# Altium PCB POETIC_Processor_V2a.PcbDoc (part 3 of 3) (continued)
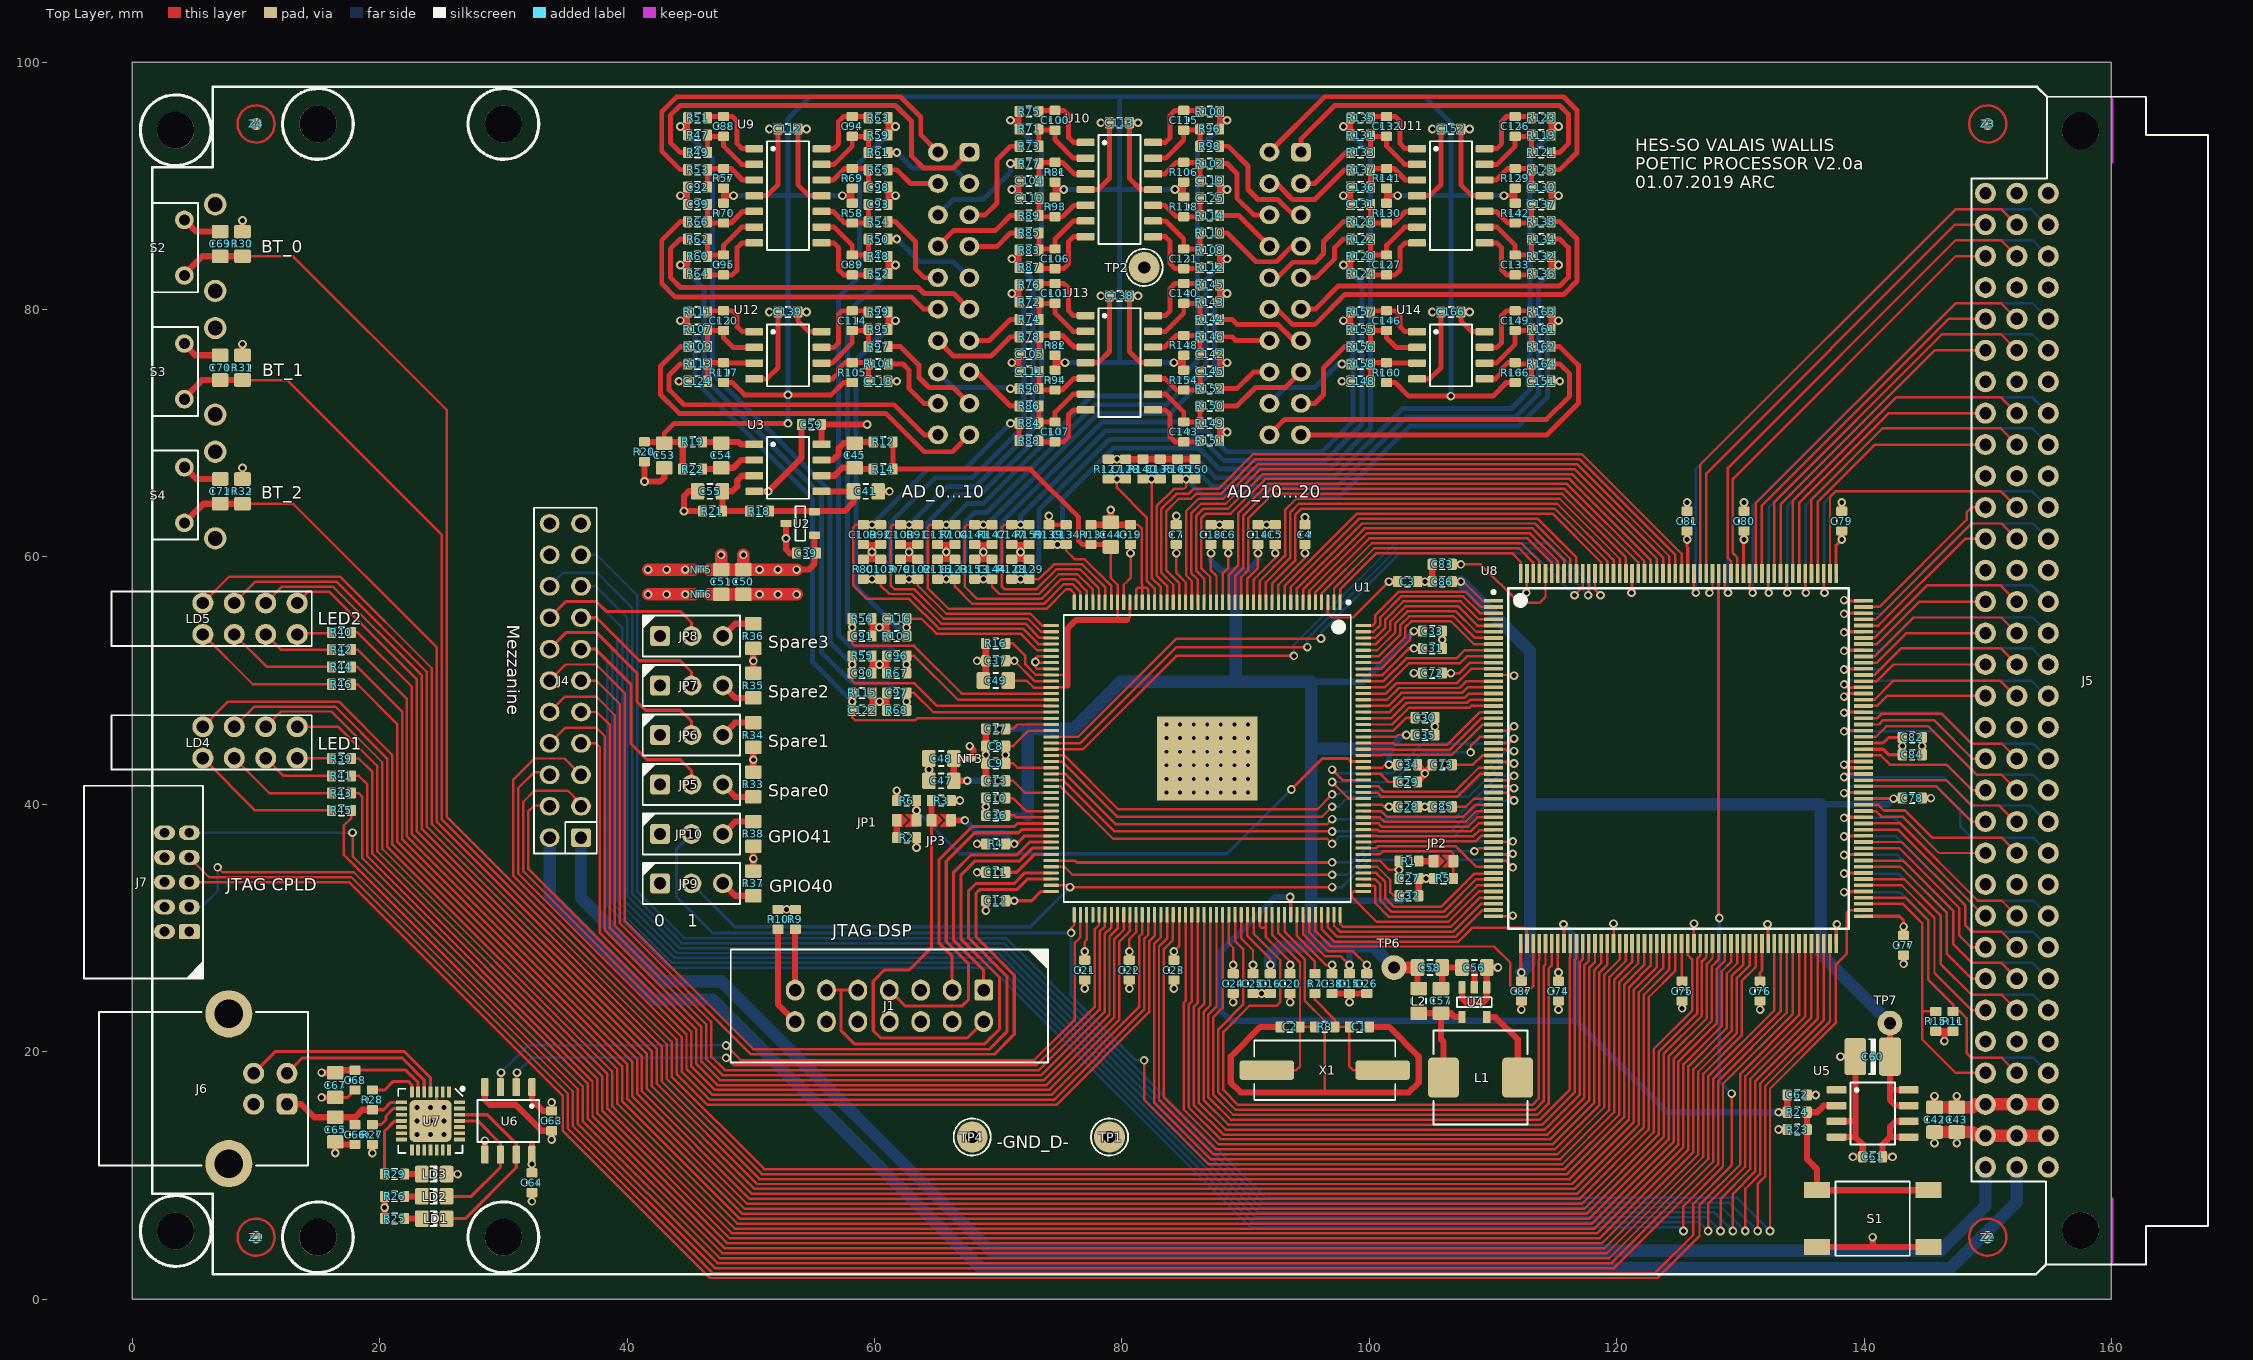
[diagram p0: Top Layer view]
## Nets (pads, with @x,y where several pads share a name; then routed paths per layer and width w, separated by ;. In a path a pad name is that pad's centre, name@x,y a point inside that pad or via, vN(x,y) a via of type N, cw(c..) or ccw(c..) an arc to the next point about the centre after c; other vN are vias at no path point) (continued)
NetC89_1: C89.1 R52.1 U9.8 | length 5.9
  Top Layer w0.4: U9.8@55.725,85.39 56.71,85.39 57.1,85 57.1,83.2 57.5,82.8 C89.1@58.2,82.8 59.4,82.8 R52.1@59.5,82.9
NetC89_2: C89.2 R48.1 R50.2 U9.9 | length 6.6
  Top Layer w0.4: U9.9@55.725,86.66 56.74,86.66 58.2,85.2 C89.2@58.2,84.4 59.4,84.4 R48.1@59.5,84.3 R50.2@59.5,85.7
NetC92_2: C92.2 R53.2 R57.1 U9.3 | length 5.6
  Top Layer w0.4: C92.2@46.5,89.9 R53.2@46.5,91.3 46.6,91.4 R57.1@47.8,91.4 48.4,91.4 49.33,90.47 U9.3@50.275,90.47
NetC93_2: C93.2 R54.2 R58.1 U9.10 | length 5.6
  Top Layer w0.4: U9.10@55.725,87.93 56.67,87.93 57.6,87 R58.1@58.2,87 59.4,87 R54.2@59.5,87.1 C93.2@59.5,88.5
NetC94_1: C94.1 R63.1 U9.14 | length 5.9
  Top Layer w0.4: U9.14@55.725,93.01 56.71,93.01 57.1,93.4 57.1,95.2 57.5,95.6 C94.1@58.2,95.6 59.4,95.6 R63.1@59.5,95.5
NetC94_2: C94.2 R59.1 R61.2 U9.13 | length 6.6
  Top Layer w0.4: U9.13@55.725,91.74 56.74,91.74 58.2,93.2 C94.2@58.2,94 59.4,94 R59.1@59.5,94.1 R61.2@59.5,92.7
NetC95_1: C95.1 R64.1 U9.7 | length 5.9
  Top Layer w0.4: R64.1@46.5,82.9 46.6,82.8 C95.1@47.8,82.8 48.5,82.8 48.9,83.2 48.9,85 49.29,85.39 U9.7@50.275,85.39
NetC95_2: C95.2 R60.1 R62.2 U9.6 | length 6.6
  Top Layer w0.4: R62.2@46.5,85.7 R60.1@46.5,84.3 46.6,84.4 C95.2@47.8,84.4 47.8,85.2 49.26,86.66 U9.6@50.275,86.66
NetC98_2: C98.2 R65.2 R69.1 U9.12 | length 5.6
  Top Layer w0.4: U9.12@55.725,90.47 56.67,90.47 57.6,91.4 R69.1@58.2,91.4 59.4,91.4 R65.2@59.5,91.3 C98.2@59.5,89.9
NetC99_2: C99.2 R66.2 R70.1 U9.5 | length 5.6
  Top Layer w0.4: C99.2@46.5,88.5 R66.2@46.5,87.1 46.6,87 R70.1@47.8,87 48.4,87 49.33,87.93 U9.5@50.275,87.93
NetC100_1: C100.1 R75.1 U10.1 | length 5.9
  Top Layer w0.4: R75.1@73.3,96 73.4,96.1 C100.1@74.6,96.1 75.3,96.1 75.7,95.7 75.7,93.9 76.09,93.51 U10.1@77.075,93.51
NetC100_2: C100.2 R71.1 R73.2 U10.2 | length 6.6
  Top Layer w0.4: R73.2@73.3,93.2 R71.1@73.3,94.6 73.4,94.5 C100.2@74.6,94.5 74.6,93.7 76.06,92.24 U10.2@77.073,92.24
NetC101_1: C101.1 R76.1 U13.1 | length 5.9
  Top Layer w0.4: R76.1@73.3,82 73.4,82.1 C101.1@74.6,82.1 75.3,82.1 75.7,81.7 75.7,79.9 76.09,79.51 U13.1@77.075,79.51
NetC101_2: C101.2 R72.1 R74.2 U13.2 | length 6.6
  Top Layer w0.4: R74.2@73.3,79.2 R72.1@73.3,80.6 73.4,80.5 C101.2@74.6,80.5 74.6,79.7 76.06,78.24 U13.2@77.075,78.24
NetC104_2: C104.2 R77.2 R81.1 U10.3 | length 5.6
  Top Layer w0.4: C104.2@73.3,90.4 R77.2@73.3,91.8 73.4,91.9 R81.1@74.6,91.9 75.2,91.9 76.13,90.97 U10.3@77.073,90.97
NetC105_2: C105.2 R78.2 R82.1 U13.3 | length 5.6
  Top Layer w0.4: C105.2@73.3,76.4 R78.2@73.3,77.8 73.4,77.9 R82.1@74.6,77.9 75.2,77.9 76.13,76.97 U13.3@77.075,76.97
NetC106_1: C106.1 R87.1 U10.7 | length 5.9
  Top Layer w0.4: R87.1@73.3,83.4 73.4,83.3 C106.1@74.6,83.3 75.3,83.3 75.7,83.7 75.7,85.5 76.09,85.89 U10.7@77.075,85.89
NetC106_2: C106.2 R83.1 R85.2 U10.6 | length 6.6
  Top Layer w0.4: R85.2@73.3,86.2 R83.1@73.3,84.8 73.4,84.9 C106.2@74.6,84.9 74.6,85.7 76.06,87.16 U10.6@77.073,87.16
NetC107_1: C107.1 R88.1 U13.7 | length 5.9
  Top Layer w0.4: R88.1@73.3,69.4 73.4,69.3 75.3,69.3 75.7,69.7 75.7,71.5 76.09,71.89 U13.7@77.075,71.89
NetC107_2: C107.2 R84.1 R86.2 U13.6 | length 7.2
  Top Layer w0.4: R86.2@73.3,72.2 R84.1@73.3,70.8 73.4,70.9 C107.2@74.6,70.9 74.6,71.7 76.06,73.16 U13.6@77.075,73.16 U13.6@77.675,73.16
NetC110_2: C110.2 R89.2 R93.1 U10.5 | length 5.6
  Top Layer w0.4: C110.2@73.3,89 R89.2@73.3,87.6 73.4,87.5 R93.1@74.6,87.5 75.2,87.5 76.13,88.43 U10.5@77.073,88.43
NetC111_2: C111.2 R90.2 R94.1 U13.5 | length 6.2
  Top Layer w0.4: C111.2@73.3,75 R90.2@73.3,73.6 73.4,73.5 R94.1@74.6,73.5 75.2,73.5 76.13,74.43 U13.5@77.075,74.43 U13.5@77.675,74.43
NetC114_1: C114.1 R99.1 U12.7 | length 6.4
  Top Layer w0.4: U12.7@55.725,76.935 56.735,76.935 57.1,77.3 57.1,79.6 57.4,79.9 C114.1@58.2,79.9 59.4,79.9 R99.1@59.5,79.8
NetC114_2: C114.2 R95.1 R97.2 U12.6 | length 6.9
  Top Layer w0.4: U12.6@55.725,75.665 56.565,75.665 58.2,77.3 C114.2@58.2,78.3 59.4,78.3 R95.1@59.5,78.4 R97.2@59.5,77
NetC115_1: C115.1 R100.1 U10.14 | length 5.9
  Top Layer w0.4: U10.14@82.525,93.51 83.51,93.51 83.9,93.9 83.9,95.7 84.3,96.1 C115.1@85,96.1 86.2,96.1 R100.1@86.3,96
NetC115_2: C115.2 R96.1 R98.2 U10.13 | length 6.6
  Top Layer w0.4: U10.13@82.525,92.24 83.54,92.24 85,93.7 C115.2@85,94.5 86.2,94.5 R96.1@86.3,94.6 R98.2@86.3,93.2
NetC118_2: C118.2 R101.2 R105.1 U12.5 | length 5.9
  Top Layer w0.4: U12.5@55.725,74.395 56.595,74.395 57.1,74.9 57.1,75.2 57.6,75.7 R105.1@58.2,75.7 59.4,75.7 R101.2@59.5,75.6 C118.2@59.5,74.2
NetC119_2: C119.2 R102.2 R106.1 U10.12 | length 5.6
  Top Layer w0.4: U10.12@82.525,90.97 83.47,90.97 84.4,91.9 R106.1@85,91.9 86.2,91.9 R102.2@86.3,91.8 C119.2@86.3,90.4
NetC120_1: C120.1 R111.1 U12.1 | length 5
  Top Layer w0.4: R111.1@46.5,79.8 46.6,79.9 C120.1@47.8,79.9 48.5,79.9 48.9,79.5 48.9,78.6 49.295,78.205 U12.1@50.275,78.205
NetC120_2: C120.2 R107.1 R109.2 U12.2 | length 6.1
  Top Layer w0.4: R109.2@46.5,77 R107.1@46.5,78.4 46.6,78.3 C120.2@47.8,78.3 47.8,77.7 48.565,76.935 U12.2@50.275,76.935
NetC121_1: C121.1 R112.1 U10.8 | length 5.9
  Top Layer w0.4: U10.8@82.525,85.89 83.51,85.89 83.9,85.5 83.9,83.7 84.3,83.3 C121.1@85,83.3 86.2,83.3 R112.1@86.3,83.4
NetC121_2: C121.2 R108.1 R110.2 U10.9 | length 6.6
  Top Layer w0.4: U10.9@82.525,87.16 83.54,87.16 85,85.7 C121.2@85,84.9 86.2,84.9 R108.1@86.3,84.8 R110.2@86.3,86.2
NetC124_2: C124.2 R113.2 R117.1 U12.3 | length 5.8
  Top Layer w0.4: C124.2@46.5,74.2 R113.2@46.5,75.6 46.6,75.7 R117.1@47.8,75.7 R117.1@47.835,75.665 ; 47.235,75.665 R117.1@47.835,75.665 ; U12.3@50.275,75.665 R117.1@47.835,75.665
NetC125_2: C125.2 R114.2 R118.1 U10.10 | length 5.6
  Top Layer w0.4: U10.10@82.525,88.43 83.47,88.43 84.4,87.5 R118.1@85,87.5 86.2,87.5 R114.2@86.3,87.6 C125.2@86.3,89
NetC126_1: C126.1 R123.1 U11.14 | length 5.9
  Top Layer w0.4: U11.14@109.325,93.01 110.31,93.01 110.7,93.4 110.7,95.2 111.1,95.6 C126.1@111.8,95.6 113,95.6 R123.1@113.1,95.5
NetC126_2: C126.2 R119.1 R121.2 U11.13 | length 7.2
  Top Layer w0.4: U11.13@109.325,91.74 110.34,91.74 111.8,93.2 C126.2@111.8,94 ; 111.8,93.4 C126.2@111.8,94 ; R121.2@113.1,92.7 R119.1@113.1,94.1 113,94 C126.2@111.8,94
NetC127_1: C127.1 R124.1 U11.7 | length 5.8
  Top Layer w0.4: R124.1@100.1,82.9 100.2,82.8 C127.1@101.4,82.8 ; C127.1@101.5,82.8 102.1,82.8 102.5,83.2 102.5,85 102.89,85.39 U11.7@103.875,85.39
NetC127_2: C127.2 R120.1 R122.2 U11.6 | length 6.6
  Top Layer w0.4: R122.2@100.1,85.7 R120.1@100.1,84.3 100.2,84.4 C127.2@101.4,84.4 101.4,85.2 102.86,86.66 U11.6@103.875,86.66
NetC130_2: C130.2 R125.2 R129.1 U11.12 | length 5.6
  Top Layer w0.4: U11.12@109.325,90.47 110.27,90.47 111.2,91.4 R129.1@111.8,91.4 113,91.4 R125.2@113.1,91.3 C130.2@113.1,89.9
NetC131_2: C131.2 R126.2 R130.1 U11.5 | length 5.6
  Top Layer w0.4: C131.2@100.1,88.5 R126.2@100.1,87.1 100.2,87 R130.1@101.4,87 102,87 102.93,87.93 U11.5@103.875,87.93
NetC132_1: C132.1 R135.1 U11.1 | length 5.9
  Top Layer w0.4: R135.1@100.1,95.5 100.2,95.6 C132.1@101.4,95.6 102.1,95.6 102.5,95.2 102.5,93.4 102.89,93.01 U11.1@103.875,93.01
NetC132_2: C132.2 R131.1 R133.2 U11.2 | length 6.6
  Top Layer w0.4: R133.2@100.1,92.7 R131.1@100.1,94.1 100.2,94 C132.2@101.4,94 101.4,93.2 102.86,91.74 U11.2@103.875,91.74
NetC133_1: C133.1 R136.1 U11.8 | length 5.9
  Top Layer w0.4: U11.8@109.325,85.39 110.31,85.39 110.7,85 110.7,83.2 111.1,82.8 C133.1@111.8,82.8 113,82.8 R136.1@113.1,82.9
NetC133_2: C133.2 R132.1 R134.2 U11.9 | length 7.2
  Top Layer w0.4: U11.9@109.325,86.66 110.34,86.66 111.8,85.2 C133.2@111.8,84.4 ; 111.8,85 C133.2@111.8,84.4 ; R134.2@113.1,85.7 R132.1@113.1,84.3 113,84.4 C133.2@111.8,84.4
NetC136_2: C136.2 R137.2 R141.1 U11.3 | length 5.6
  Top Layer w0.4: C136.2@100.1,89.9 R137.2@100.1,91.3 100.2,91.4 R141.1@101.4,91.4 102,91.4 102.93,90.47 U11.3@103.875,90.47
NetC137_2: C137.2 R138.2 R142.1 U11.10 | length 5.6
  Top Layer w0.4: U11.10@109.325,87.93 110.27,87.93 111.2,87 R142.1@111.8,87 113,87 R138.2@113.1,87.1 C137.2@113.1,88.5
NetC140_1: C140.1 R145.1 U13.14 | length 5.9
  Top Layer w0.4: U13.14@82.525,79.51 83.51,79.51 83.9,79.9 83.9,81.7 84.3,82.1 86.2,82.1 R145.1@86.3,82
NetC140_2: C140.2 R143.1 R144.2 U13.13 | length 6.6
  Top Layer w0.4: U13.13@82.525,78.24 83.54,78.24 85,79.7 C140.2@85,80.5 86.2,80.5 R143.1@86.3,80.6 R144.2@86.3,79.2
NetC142_2: C142.2 R146.2 R148.1 U13.12 | length 5.6
  Top Layer w0.4: U13.12@82.525,76.97 83.47,76.97 84.4,77.9 R148.1@85,77.9 86.2,77.9 R146.2@86.3,77.8 C142.2@86.3,76.4
NetC143_1: C143.1 R151.1 U13.8 | length 5.9
  Top Layer w0.4: U13.8@82.525,71.89 83.51,71.89 83.9,71.5 83.9,69.7 84.3,69.3 86.2,69.3 R151.1@86.3,69.4
NetC143_2: C143.2 R149.1 R150.2 U13.9 | length 6.6
  Top Layer w0.4: U13.9@82.525,73.16 83.54,73.16 85,71.7 C143.2@85,70.9 86.2,70.9 R149.1@86.3,70.8 R150.2@86.3,72.2
NetC145_2: C145.2 R152.2 R154.1 U13.10 | length 5.6
  Top Layer w0.4: U13.10@82.525,74.43 83.47,74.43 84.4,73.5 R154.1@85,73.5 86.2,73.5 R152.2@86.3,73.6 C145.2@86.3,75
NetC146_1: C146.1 R157.1 U14.1 | length 5
  Top Layer w0.4: R157.1@100.1,79.8 100.2,79.9 C146.1@101.4,79.9 102.1,79.9 102.5,79.5 102.5,78.6 102.895,78.205 U14.1@103.875,78.205
NetC146_2: C146.2 R155.1 R156.2 U14.2 | length 6.1
  Top Layer w0.4: R156.2@100.1,77 R155.1@100.1,78.4 100.2,78.3 C146.2@101.4,78.3 101.4,77.7 102.165,76.935 U14.2@103.875,76.935
NetC148_2: C148.2 R158.2 R160.1 U14.3 | length 5.8
  Top Layer w0.4: C148.2@100.1,74.2 R158.2@100.1,75.6 100.2,75.7 R160.1@101.4,75.7 R160.1@101.435,75.665 ; 100.835,75.665 R160.1@101.435,75.665 ; U14.3@103.875,75.665 R160.1@101.435,75.665
NetC149_1: C149.1 R163.1 U14.7 | length 6.3
  Top Layer w0.4: U14.7@109.325,76.935 110.335,76.935 110.7,77.3 110.7,79.5 111.1,79.9 C149.1@111.8,79.9 113,79.9 R163.1@113.1,79.8
NetC149_2: C149.2 R161.1 R162.2 U14.6 | length 7
  Top Layer w0.4: U14.6@109.325,75.665 110.265,75.665 111.8,77.2 C149.2@111.8,78.3 113,78.3 R161.1@113.1,78.4 R162.2@113.1,77
NetC151_2: C151.2 R164.2 R166.1 U14.5 | length 5.9
  Top Layer w0.4: U14.5@109.325,74.395 110.195,74.395 110.7,74.9 110.7,75.2 111.2,75.7 R166.1@111.8,75.7 111.9,75.6 R164.2@113.1,75.6 C151.2@113.1,74.2
NetC154_1: 
NetC155_2: 
NetC156_1: 
NetC157_2: 
NetC159_2: 
NetC160_1: 
NetC162_2: 
NetC163_1: 
NetC164_2: 
NetJ1_13: J1.13 R9.1 | length 4.9
  Top Layer w0.5: J1.13@53.58,24.97 53.58,29.88 R9.1@53.6,29.9
NetJ1_14: J1.14 R10.1 | length 8
  Top Layer w0.5: R10.1@52.2,29.9 52.2,23.81 J1.14@53.58,22.43
NetJP1_1: JP1.1 R2.1 | length 1.4
  Top Layer w0.5: R2.1@61.8,37.3 JP1.1@61.8,38.7
NetJP2_1: JP2.1 R1.1 | length 1.2
  Top Layer w0.5: R1.1@104,35.4 JP2.1@105.2,35.4
NetJP5_3: JP5.3 R33.1 | length 2.9
  Top Layer w0.5: JP5.3@47.74,41.6 48.74,40.6 R33.1@50.2,40.6
NetJP6_3: JP6.3 R34.1 | length 2.9
  Top Layer w0.5: JP6.3@47.74,45.6 48.74,46.6 R34.1@50.2,46.6
NetJP7_3: JP7.3 R35.1 | length 2.9
  Top Layer w0.5: JP7.3@47.74,49.6 48.74,48.6 R35.1@50.2,48.6
NetJP8_3: JP8.3 R36.1 | length 2.9
  Top Layer w0.5: JP8.3@47.74,53.6 48.74,54.6 R36.1@50.199,54.6
NetJP9_3: JP9.3 R37.2 | length 2.9
  Top Layer w0.5: JP9.3@47.74,33.6 48.74,32.6 R37.2@50.2,32.6
NetJP10_3: JP10.3 R38.2 | length 2.9
  Top Layer w0.5: JP10.3@47.74,37.6 48.74,38.6 R38.2@50.2,38.6
NetL1_1: L1.1 U4.5 | length 6.3
  Top Layer w0.5: U4.5@109.5,22.8 110.2,22.8 112,21 L1.1@112,17.9
NetLD1_2: LD1.2 R25.1 | length 1.4
  Top Layer w0.5: R25.1@22,6.5 LD1.2@23.4,6.5
NetLD2_2: LD2.2 R26.1 | length 1.4
  Top Layer w0.5: R26.1@22,8.3 LD2.2@23.4,8.3
NetLD3_2: LD3.2 R29.1 | length 1.4
  Top Layer w0.5: R29.1@22,10.1 LD3.2@23.4,10.1
NetLD4_1: LD4.1 R45.2 | length 12.2
  Top Layer w0.2: LD4.1@5.7,43.73 9.93,39.5 R45.2@16.1,39.5
NetLD4_3: LD4.3 R43.2 | length 9
  Top Layer w0.2: LD4.3@8.24,43.73 11.07,40.9 R43.2@16.1,40.9
NetLD4_5: LD4.5 R41.2 | length 5.9
  Top Layer w0.2: LD4.5@10.78,43.73 12.21,42.3 R41.2@16.1,42.3
NetLD4_7: LD4.7 R39.2 | length 2.8
  Top Layer w0.2: LD4.7@13.32,43.731 16.069,43.731 R39.2@16.1,43.7
NetLD5_1: LD5.1 R46.2 | length 12.1
  Top Layer w0.2: LD5.1@5.7,53.73 9.73,49.7 R46.2@16.1,49.7
NetLD5_3: LD5.3 R44.2 | length 8.9
  Top Layer w0.2: LD5.3@8.24,53.73 10.87,51.1 R44.2@16.1,51.1
NetLD5_5: LD5.5 R42.2 | length 5.8
  Top Layer w0.2: LD5.5@10.78,53.73 12.01,52.5 R42.2@16.1,52.5
NetLD5_7: LD5.7 R40.2 | length 2.6
  Top Layer w0.2: LD5.7@13.32,53.83 15.83,53.83 R40.2@15.9,53.9
NetR7_2: R7.2 U1.123 | length 5.8
  Top Layer w0.2: U1.123@93.15,31.075 93.15,29.723 95.6,27.273 R7.2@95.6,26.3
NetR23_1: R23.1 R24.2 S1.3 S1.4 U5.2 | length 18.2
  Top Layer w0.5: U5.2@137.779,15.635 136.735,15.635 136.2,15.1 R24.2@135.4,15.1 135.4,11.3 136.2,10.5 S1.4@136.2,8.8 S1.3@145.2,8.8
NetR27_1: R27.1 U7.9 | length 3.1
  Top Layer w0.25: R27.1@19.4,14.1 20.1,14.1 20.5,14.5 20.5,14.8 21.1,15.4 U7.9@21.75,15.4
NetR28_2: R28.2 U7.7 | length 4.2
  Top Layer w0.25: R28.2@19.4,16.9 20.4,16.9 21.1,17.6 22.3,17.6 22.6,17.3 U7.7@22.6,16.75
NetR29_2: R29.2 U7.11 | length 5.2
  Top Layer w0.25: R29.2@20.4,10.1 20.4,13.6 ; 20.4,13.588 21.212,14.4 U7.11@21.75,14.4
Push_BT_0: C69.2 R30.1 S2.2 U8.72 | length 184.4
  Top Layer w0.2: R30.1@8.9,84.3 13,84.3 25.4,71.9 25.4,39 43.6,20.8 43.6,18 51.1,10.5 115.8,10.5 120.2,14.9 120.2,25.6 121.75,27.15 U8.72@121.75,28.75
  Top Layer w0.5: S2.2@4.2,82.85 5.65,84.3 C69.2@7.1,84.3 R30.1@8.9,84.3
Push_BT_1: C70.2 R31.1 S3.2 U8.73 | length 175.5
  Top Layer w0.2: R31.1@8.9,74.3 9.3,74.3 12.5,74.3 25,61.8 25,38.8 43.2,20.6 43.2,17.8 50.9,10.1 116,10.1 120.6,14.7 120.6,25.4 122.25,27.05 U8.73@122.25,28.75
  Top Layer w0.5: S3.2@4.1,72.75 5.65,74.3 C70.2@7.1,74.3 R31.1@8.9,74.3
Push_BT_2: C71.2 R32.1 S4.2 U8.74 | length 166.9
  Top Layer w0.2: R32.1@8.9,64.3 13,64.3 24.6,52.7 24.6,38.6 42.8,20.4 42.8,17.6 50.7,9.7 116.2,9.7 121,14.5 121,25.2 122.75,26.95 U8.74@122.75,28.75
  Top Layer w0.5: S4.2@4.2,62.75 5.75,64.3 C71.2@7.1,64.3 R32.1@8.9,64.3
PWR_ON_RST: C62.2 R24.1 U1.124 U8.60 | length 74.1
  Top Layer w0.25: v1(93.6,32.5) 93.65,32.45 U1.124@93.65,31.075 ; v1(115.7,30.3) 115.75,30.25 U8.60@115.75,28.75
  Top Layer w0.5: v1(133.1,15.1) R24.1@133.8,15.1 C62.2@133.8,16.5
  Bottom Layer w0.5: v1(93.6,32.5) 92.4,32.5 87.9,28 87.9,23.4 88.8,22.5 116.7,22.5 ; v1(115.7,30.3) 116.7,29.3 116.7,22.5 ; v1(133.1,15.1) 124.1,15.1 124.05,15.15 116.7,22.5
REF_1V5: C53.2 R19.1 R20.1 R22.1 R57.2 R58.2 R69.2 R70.2 R81.2 R82.2 R93.2 R94.2 R105.2 R106.2 R117.2 R118.2 R129.2 R130.2 R141.2 R142.2 R148.2 R154.2 R160.2 R166.2 | length 213.4
  Top Layer w0.4: C53.2@43,69.3 43,70 43.8,70.8 v1(53,70.8) ; R117.2@47.8,74.1 48.5,74.1 49.5,73.1 v1(53,73.1) 56.5,73.1 57.5,74.1 R105.2@58.2,74.1 ; R70.2@47.8,88.6 47.8,89.2 ; R57.2@47.8,89.8 47.8,89.2 ; v1(48.6,89.2) 47.8,89.2 ; v1(57.4,89.2) 58.2,89.2 ; R58.2@58.2,88.6 58.2,89.2 ; R69.2@58.2,89.8 58.2,89.2 ; R94.2@74.6,75.1 74.6,75.7 ; R82.2@74.6,76.3 74.6,75.7 ; R93.2@74.6,89.1 74.6,89.7 ; R81.2@74.6,90.3 74.6,89.7 ; v1(75.3,89.7) 74.6,89.7 ; v1(75.4,75.7) 74.6,75.7 ; v1(84.2,75.7) 85,75.7 ; v1(84.3,89.7) 85,89.7 ; R154.2@85,75.1 85,75.7 ; R148.2@85,76.3 85,75.7 ; R118.2@85,89.1 85,89.7 ; R106.2@85,90.3 85,89.7 ; R160.2@101.4,74.1 102.1,74.1 103.2,73 v1(106.6,73) 110,73 111.1,74.1 R166.2@111.8,74.1 ; R130.2@101.4,88.6 101.4,89.2 ; R141.2@101.4,89.8 101.4,89.2 ; v1(102.3,89.2) 101.4,89.2 ; v1(110.9,89.2) 111.8,89.2 ; R142.2@111.8,88.6 111.8,89.2 ; R129.2@111.8,89.8 111.8,89.2
  Top Layer w0.5: R20.1@41.4,69.3 43,69.3 R19.1@44.5,69.3 R22.1@44.5,67.1
  Bottom Layer w0.4: v1(48.6,89.2) 53,89.2 ; v1(53,70.8) v1(53,73.1) 53,89.2 ; v1(57.4,89.2) 53,89.2 ; v1(75.3,89.7) 79.8,89.7 ; v1(75.4,75.7) 79.8,75.7 ; 79.8,89.6 79.8,75.7 ; v1(84.2,75.7) 79.8,75.7 ; v1(84.3,89.7) 79.8,89.7 ; v1(102.3,89.2) 106.6,89.2 ; v1(106.6,73) 106.6,89.2 ; v1(110.9,89.2) 106.6,89.2 ; 53,89.2 53,95.4 54.8,97.2 79.8,97.2 ; 79.8,89.7 79.8,97.2 ; 79.8,97.2 104.5,97.2 106.6,95.1 106.6,89.2
SCIA_RX: U1.93 U6.2 | length 58.2
  Top Layer w0.2: U6.2@31.035,17.125 31.035,18.235 v1(31.1,18.3) ; v1(48,19.5) 48.6,18.9 73.1,18.9 77.8,23.6 77.8,29.866 78.15,30.216 U1.93@78.15,31.075
  Bottom Layer w0.2: v1(31.1,18.3) 32.3,19.5 v1(48,19.5)
SCIA_TX: U1.90 U6.3 | length 59
  Top Layer w0.2: U6.3@29.765,17.125 29.765,18.265 v1(29.8,18.3) ; v1(48,20.5) 49.2,19.3 72.9,19.3 76.2,22.6 76.2,28.8 76.65,29.25 U1.90@76.65,31.075
  Bottom Layer w0.2: v1(29.8,18.3) 32,20.5 v1(48,20.5)
SCIC_RX: J4.11 U1.86 | length 77.8
  Top Layer w0.2: J4.11@36.27,50 37.5,50 39.4,48.1 39.4,30.4 50.025,19.775 69.675,19.775
  Top Layer w0.25: 69.675,19.775 71.3,21.4 71.3,26.2 68.2,29.3 68.2,32.8 68.5,33.1 71.5,33.1 72.35,33.95 U1.86@74.275,33.95
SCIC_TX: J4.12 U1.85 | length 81.7
  Top Layer w0.2: J4.12@33.73,50 35.03,51.3 37.5,51.3 39.8,49 39.8,30.6 50.2,20.2 69.3,20.2
  Top Layer w0.25: 69.3,20.2 70.7,21.6 70.7,26.1 67.6,29.2 67.6,33 68.2,33.6 71.3,33.6 72.15,34.45 U1.85@74.275,34.45
Spare_0: J4.13 JP5.2 U8.97 | length 164
  Top Layer w0.2: v1(125.4,5.5) 125.4,7.5 128.6,10.7 128.6,17.4 134.25,23.05 U8.97@134.25,28.75
  Top Layer w0.25: J4.13@36.27,52.54 37.46,52.54 40.325,49.675 40.325,44.875 41.6,43.6 44.3,43.6 45.2,42.7 JP5.2@45.2,41.6
  Bottom Layer w0.2: J4.13@36.27,52.54 37.46,52.54 38.4,51.6 38.4,31.8 43.425,26.775 69.425,26.775 90.4,5.8 125.1,5.8 v1(125.4,5.5)
Spare_1: J4.14 JP6.2 U8.99 | length 170.3
  Top Layer w0.2: v1(127.4,5.5) 127.4,7.7 130.4,10.7 130.4,18 135.25,22.85 U8.99@135.25,28.75
  Top Layer w0.25: J4.14@33.73,52.54 35.09,53.9 37.5,53.9 40.8,50.6 40.8,48.3 41.5,47.6 44.3,47.6 45.2,46.7 JP6.2@45.2,45.6
  Bottom Layer w0.2: J4.14@33.73,52.54 35.09,53.9 37.5,53.9 38.8,52.6 38.8,32 43.625,27.175 69.625,27.175 90.6,6.2 126.7,6.2 v1(127.4,5.5)
Spare_2: J4.15 JP7.2 U8.100 | length 163.2
  Top Layer w0.2: v1(128.4,5.5) 128.4,8.1 130.8,10.5 130.8,17.8 135.75,22.75 U8.100@135.75,28.75
  Top Layer w0.25: J4.15@36.27,55.08 37.52,55.08 41,51.6 44.3,51.6 45.2,50.7 JP7.2@45.2,49.6
  Bottom Layer w0.2: J4.15@36.27,55.08 37.52,55.08 39.2,53.4 39.2,32.2 43.825,27.575 69.825,27.575 90.8,6.6 127.3,6.6 v1(128.4,5.5)
Spare_3: J4.16 JP8.2 U8.101 | length 170
  Top Layer w0.2: v1(129.4,5.5) 129.4,8.5 131.2,10.3 131.2,17.6 136.25,22.65 U8.101@136.25,28.75
  Top Layer w0.25: J4.16@33.73,55.08 35.05,56.4 37.5,56.4 38.3,55.6 44.3,55.6 45.2,54.7 JP8.2@45.2,53.6
  Bottom Layer w0.2: J4.16@33.73,55.08 35.05,56.4 37.5,56.4 39.6,54.3 39.6,32.4 44.025,27.975 70.025,27.975 91,7 127.9,7 v1(129.4,5.5)
Spare_4: J4.17 U8.102 | length 154.8
  Top Layer w0.2: v1(130.4,5.5) 130.4,8.9 131.6,10.1 131.6,17.4 136.75,22.55 U8.102@136.75,28.75
  Bottom Layer w0.2: J4.17@36.27,57.62 37.48,57.62 40,55.1 40,32.6 44.225,28.375 70.225,28.375 91.2,7.4 128.5,7.4 v1(130.4,5.5)
Spare_5: J4.18 U8.103 | length 159.4
  Top Layer w0.2: v1(131.4,5.5) 131.4,9.3 132,9.9 132,17.2 137.25,22.45 U8.103@137.25,28.75
  Bottom Layer w0.2: J4.18@33.73,57.62 34.83,58.72 37.58,58.72 40.4,55.9 40.4,32.8 44.425,28.775 70.425,28.775 91.4,7.8 129.1,7.8 v1(131.4,5.5)
Spare_6: J4.19 U8.106 | length 162.5
  Top Layer w0.2: v1(132.4,5.5) 132.4,17 137.7,22.3 137.7,27 138.6,27.9 138.6,31.2 138.85,31.45 U8.106@139.95,31.45
  Bottom Layer w0.2: J4.19@36.27,60.16 37.54,60.16 40.8,56.9 40.8,33 44.625,29.175 70.625,29.175 91.6,8.2 129.7,8.2 v1(132.4,5.5)
SPIA_CLK: J4.6 U1.101 | length 80.7
  Top Layer w0.2: J4.6@33.73,42.38 33.51,42.6 32.5,42.6 31.2,41.3 31.2,34.4 44.4,21.2 44.4,18.4 46.7,16.1 74.5,16.1 81.8,23.4 81.8,29.1 82.15,29.45 U1.101@82.15,31.075
SPIA_SIMO: J4.4 U1.98 | length 74.6
  Top Layer w0.2: J4.4@33.73,39.84 33.67,39.9 32.5,39.9 32,39.4 32,34.8 45.2,21.6 45.2,18.8 47.1,16.9 74.1,16.9 79.8,22.6 79.8,28.9 80.65,29.75 U1.98@80.65,31.075
SPIA_SOMI: J4.3 U1.100 | length 80.7
  Top Layer w0.2: J4.3@36.27,39.84 36.27,40.03 35.2,41.1 32.5,41.1 31.6,40.2 31.6,34.6 44.8,21.4 44.8,18.6 46.9,16.5 74.3,16.5 81.4,23.6 81.4,29.3 81.65,29.55 U1.100@81.65,31.075
SPIC_CLK: J4.8 U1.96 | length 79
  Top Layer w0.2: J4.8@33.73,44.92 35.01,46.2 37.5,46.2 38.2,45.5 38.2,29.8 46,22 46,19.2 47.5,17.7 73.7,17.7 79,23 79,29.3 79.65,29.95 U1.96@79.65,31.075
SPIC_CLK_+: 
SPIC_CLK_-: 
SPIC_SIMO: J4.10 U1.94 | length 79
  Top Layer w0.2: J4.10@33.73,47.46 34.97,48.7 37.5,48.7 39,47.2 39,30.2 46.8,22.4 46.8,19.6 47.9,18.5 73.3,18.5 78.2,23.4 78.2,29.7 78.625,30.125 78.625,31.05 U1.94@78.65,31.075
SPIC_SIMO_+: 
SPIC_SIMO_-: 
SPIC_SOMI: J4.9 U1.95 | length 76
  Top Layer w0.2: J4.9@36.27,47.46 37.54,47.46 38.6,46.4 38.6,30 46.4,22.2 46.4,19.4 47.7,18.1 73.5,18.1 78.6,23.2 78.6,29.5 79.15,30.05 U1.95@79.15,31.075
USB_RX: LD2.1 U6.6 U7.25 | length 12.2
  Top Layer w0.25: LD2.1@25.4,8.3 27.4,8.3 29.765,10.665 29.765,12.56 ; U7.25@26.45,14.4 27.925,14.4 29.765,12.56 ; U6.6@29.765,11.675 29.765,12.56 ; 29.765,12.575 29.765,12.56
USB_TX: LD1.1 U6.7 U7.26 | length 15.7
  Top Layer w0.25: LD1.1@25.4,6.5 26.9,6.5 31.035,10.635 31.035,12.565 ; U7.26@26.45,14.9 28.7,14.9 31.035,12.565 ; U6.7@31.035,11.675 31.035,12.565 ; 31.035,12.575 31.035,12.565
VREFHI_ALL: C44.2 C49.2 R12.1 R13.1 R14.1 R16.1 U1.35 U1.37 U1.53 U1.55 | length 52.5
  Top Layer w0.2: R16.1@70.6,53 71.2,53 72.2,52 72.2,51.3 73.025,50.475 74.25,50.475 U1.53@74.275,50.45 75.6,50.45 ; C49.2@70.8,50 72.3,50 72.875,49.425 74.25,49.425 U1.55@74.275,49.45 75.45,49.45 75.6,49.6 ; C44.2@79.1,60.8 79.1,58.3 79.65,57.75 79.65,54.9 ; 80.4,54.9 80.65,55.15 U1.35@80.65,56.325 U1.35@80.675,56.35
  Top Layer w0.4: R12.1@61.5,69.3 R14.1@61.5,67.1 72.6,67.1 76.5,63.2 76.5,61.3 76.8,61 R13.1@77.5,61 78.9,61 C44.2@79.1,60.8
  Top Layer w0.5: 75.6,49.6 75.6,50.45 75.6,54.2 76.3,54.9 79.65,54.9 80.4,54.9
pads on no net: J1.6 J5.0 J7.2 J7.4 J7.6 J7.8 S2.0 S3.0 S4.0 U1.73 U1.74 U1.92 U5.1 U7.1 U7.2 U7.10 U7.12 U7.13 U7.14 U7.15 U7.16 U7.17 U7.18 U7.19 U7.20 U7.21 U7.22 U7.23 U7.24 U7.27 U7.28 Z1.1 Z2.1 Z3.1 Z4.1

## Polygon pours and split planes (outlines as drawn)
no net on VCC (split plane): 159.49,0.51 0.51,0.51 0.51,0.873 159,0.873 159.049,0.882 159.09,0.91 159.118,0.951 159.127,1 159.127,99 159.118,99.049 159.09,99.09 159.049,99.118 159,99.127 0.51,99.127 0.51,99.49 159.49,99.49
+3V3_D on VCC (split plane): 158.873,1.127 0.51,1.127 0.51,98.873 158.873,98.873
+3V3_USB on VCC (split plane): 33.648,11.296 33.648,4.252 5.852,4.252 5.852,25.048 19.896,25.048
+3V3_A on VCC (split plane): 117.373,66.627 84.1,66.627 84.051,66.618 84.01,66.59 82.91,65.49 82.882,65.449 82.873,65.4 82.873,53.853 75.847,46.827 58.653,46.827 40.627,64.853 40.627,97.873 117.373,97.873
GND_USB on GND (split plane): 159.49,0.51 0.51,0.51 0.51,0.873 159,0.873 159.049,0.882 159.09,0.91 159.118,0.951 159.127,1 159.127,99 159.118,99.049 159.09,99.09 159.049,99.118 159,99.127 0.51,99.127 0.51,99.49 159.49,99.49
GND_D on GND (split plane): 158.873,1.127 0.51,1.127 0.51,98.873 158.873,98.873
GND_USB on GND (split plane): 33.648,11.291 33.648,4.252 5.852,4.252 5.852,25.048 19.891,25.048
GND_A on GND (split plane): 117.373,66.627 84.1,66.627 84.051,66.618 84.01,66.59 82.91,65.49 82.882,65.449 82.873,65.4 82.873,53.853 75.847,46.827 58.653,46.827 40.627,64.853 40.627,97.873 117.373,97.873

## Keep-outs
Keep-Out Layer:
  lines w0.203: 160.086,3 160.086,8.103 ; 160.086,91.923 160.086,97

## Other copper
VCC (plane layer: these items are gaps in the copper):
  lines w0.25: 0.1,1 0.1,99 159,99 159,1 0.1,1 ; 40.5,64.8 40.5,98 117.5,98 117.5,66.5 84.1,66.5 83,65.4 83,53.8 75.9,46.7 58.6,46.7 40.5,64.8
  lines w0.5: 5.6,4 5.6,25.3 20,25.3 33.9,11.4 33.9,4 5.6,4
GND (plane layer: these items are gaps in the copper):
  lines w0.25: 0.1,1 0.1,99 159,99 159,1 0.1,1 ; 40.5,64.8 58.6,46.7 75.9,46.7 83,53.8 83,65.4 84.1,66.5 117.5,66.5 117.5,98 40.5,98 40.5,64.8
  lines w0.5: 5.6,4 5.6,25.3 19.995,25.3 33.9,11.395 33.9,4 5.6,4

## Silkscreen, mask and mechanical layers (free items; w line width, h text height)
Top Overlay:
  circle w0.254: c30,95 r2.857
  circle w0.254: c15,95 r2.857
  circle w0.254: c30,5 r2.857
  circle w0.254: c15,5 r2.857
  circle w0.254: c3.5,94.5 r2.857
  circle w0.254: c3.5,5.5 r2.857
  lines w0.2: 154.7,2.8 153.9,2 6.5,2 6.5,8.5 1.6,8.5 1.6,91.5 6.5,91.5 6.5,98 154,98 154.8,97.2
  text "HES-SO VALAIS WALLIS / POETIC PROCESSOR V2.0a / 01.07.2019 ARC" at 121.5,89.8 h1
  text "BT_0" at 10.4,84.6 h1
  text "BT_1" at 10.5,74.6 h1
  text "AD_0...10" at 62.2,64.8 h1
  text "AD_10...20" at 88.5,64.8 h1
  text "BT_2" at 10.4,64.7 h1
  text "LED2" at 15,54.5 h1
  text "Mezzanine" at 30.3,54.5 h1 r270
  text "Spare3" at 51.4,52.6 h1
  text "Spare2" at 51.4,48.6 h1
  text "Spare1" at 51.4,44.6 h1
  text "LED1" at 15,44.4 h1
  text "Spare0" at 51.4,40.6 h1
  text "GPIO41" at 51.4,36.9 h1
  text "JTAG CPLD" at 7.6,33 h1
  text "GPIO40" at 51.5,32.9 h1
  text "0    1" at 42.2,30.1 h1
  text "JTAG DSP" at 56.6,29.3 h1
  text "-GND_D-" at 69.9,12.2 h1
Mechanical 1:
  the board outline again, w0.15